# Altium PCB DIOT_Kasli_Adapter.PcbDoc (part 5 of 10)
Units mm, origin at the board's own origin, x right, y up, seen from the top; angles counter-clockwise.
Board outline 220.04 x 100 mm, 12 copper layers (Top Layer, L2GND, L3, L4, L5GND, L6, L7, L8GND, L9, L10, L11GND, Bottom Layer), stack 1.691 mm thick; 201 components, 445 nets, 1582 pads, 691 vias.
Unrouted connection lines stored in the file: 4.
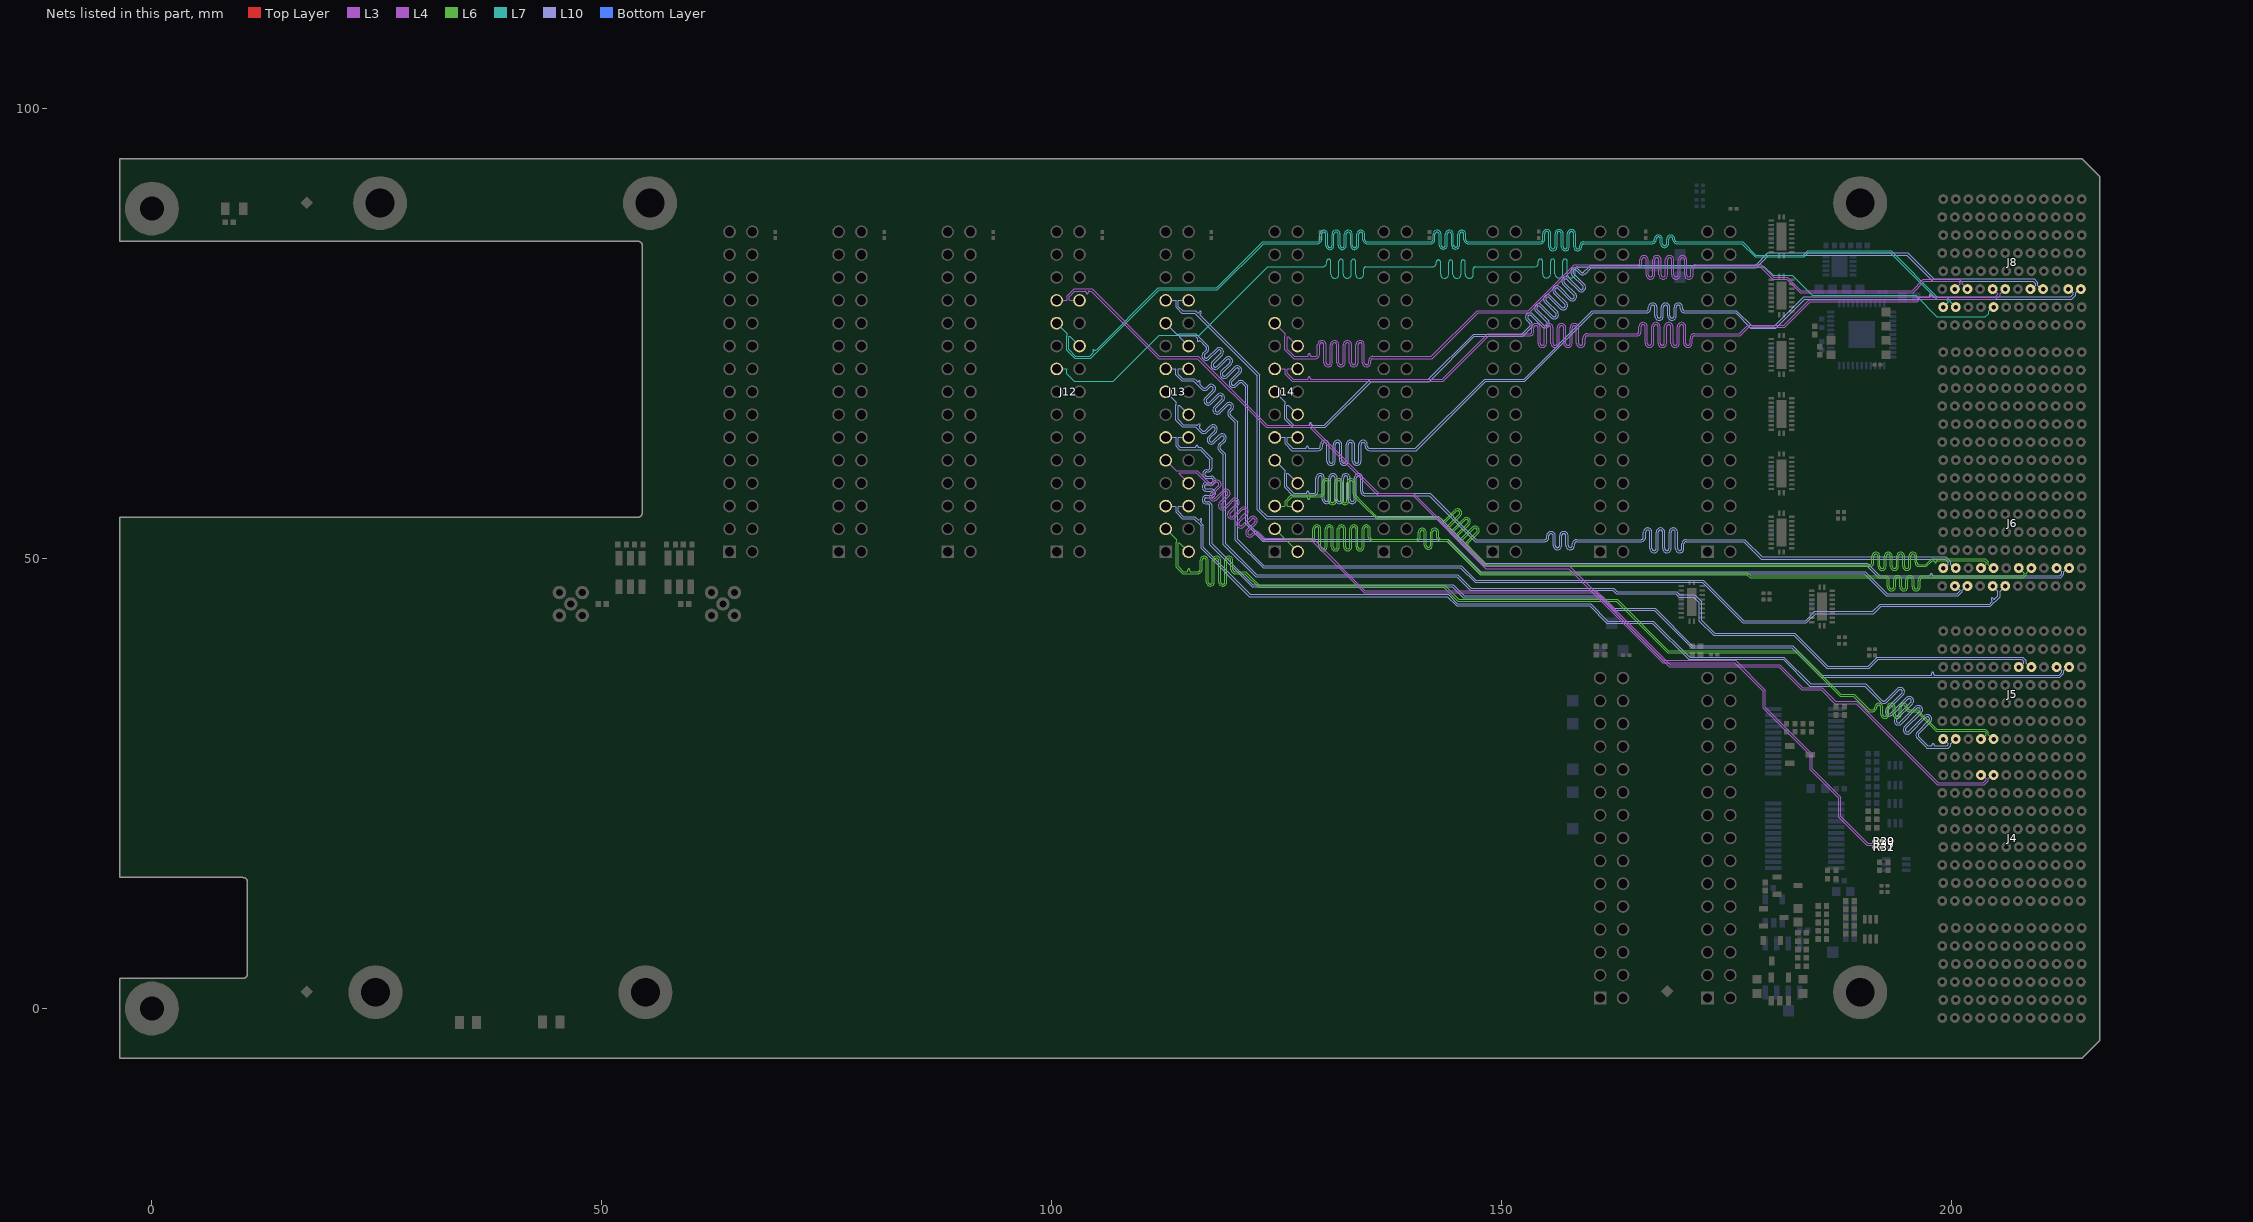
[diagram p15: the nets of this part, all layers, seen from the top]

## Via types
v1: diameter 0.5, hole 0.2, Top Layer to Bottom Layer, tented both sides, 649 vias
v2: diameter 0.5, hole 0.2, Top Layer to Bottom Layer, 32 vias
v3: diameter 0.65, hole 0.3, Top Layer to Bottom Layer, tented both sides, 6 vias
v4: diameter 0.8, hole 0.5, Top Layer to Bottom Layer, tented both sides, 4 vias

## Nets (pads, with @x,y where several pads share a name; then routed paths per layer and width w, separated by ;. In a path a pad name is that pad's centre, name@x,y a point inside that pad or via, vN(x,y) a via of type N, cw(c..) or ccw(c..) an arc to the next point about the centre after c; other vN are vias at no path point) (continued)
EXT3.LVDS_5_P: J8.H2 J12.17 | length 144.4
  L7 w0.089: J12.17@100.547,71.082 101.644,71.082 101.67,71.056 101.67,70.568 102.509,69.729 106.839,69.729 111.946,74.837 116.392,74.837 123.979,82.424 129.261,82.424 130.099,82.424 ccw(c130.099,82.875) 130.55,82.875 130.55,83.038 cw(c130.785,83.038) 131.02,83.038 131.02,81.605 ccw(c131.47,81.605) 131.921,81.605 131.921,83.038 cw(c132.156,83.038) 132.391,83.038 132.391,81.605 ccw(c132.842,81.605) 133.293,81.605 133.293,83.038 cw(c133.528,83.038) 133.763,83.038 133.763,81.605 ccw(c134.214,81.605) 134.664,81.605 134.664,82.189 cw(c134.899,82.189) 134.899,82.424 135.052,82.424 142.138,82.424 142.291,82.424 ccw(c142.291,82.875) 142.742,82.875 142.742,82.955 cw(c142.977,82.955) 143.212,82.955 143.212,81.605 ccw(c143.662,81.605) 144.113,81.605 144.113,82.955 cw(c144.348,82.955) 144.583,82.955 144.583,81.605 ccw(c145.034,81.605) 145.485,81.605 145.485,82.955 cw(c145.72,82.955) 145.955,82.955 145.955,81.605 ccw(c146.406,81.605) 146.856,81.605 146.856,82.189 cw(c147.091,82.189) 147.091,82.424 147.777,82.424 153.467,82.424 153.619,82.424 ccw(c153.619,82.875) 154.07,82.875 154.07,83.059 cw(c154.305,83.059) 154.54,83.059 154.54,81.652 ccw(c154.991,81.652) 155.442,81.652 155.442,83.059 cw(c155.677,83.059) 155.912,83.059 155.912,81.652 ccw(c156.362,81.652) 156.813,81.652 156.813,83.059 cw(c157.048,83.059) 157.283,83.059 157.283,81.652 ccw(c157.734,81.652) 158.185,81.652 158.185,82.189 cw(c158.42,82.189) 158.42,82.424 159.246,82.424 179.209,82.424 180.163,81.47 182.303,81.47 184.532,79.242 196.013,79.242 198.371,76.884 203.761,76.884 204.106,77.229 204.106,77.489 204.54,77.923 204.54,77.95 J8.H2@204.669,77.95
EXT3.LVDS_6_N: J8.L2 J12.21 | length 144.4
  L7 w0.089: J12.21@100.547,76.162 101.704,75.005 101.704,74.795 101.657,74.748 101.657,73.167 102.544,72.28 104.33,72.28 111.928,79.879 118.417,79.879 123.54,85.001 129.388,85.001 129.54,85.001 ccw(c129.54,85.452) 129.991,85.452 129.991,86.036 cw(c130.226,86.036) 130.461,86.036 130.461,84.799 ccw(c130.912,84.799) 131.362,84.799 131.362,86.036 cw(c131.597,86.036) 131.832,86.036 131.832,84.799 ccw(c132.283,84.799) 132.734,84.799 132.734,86.036 cw(c132.969,86.036) 133.204,86.036 133.204,84.799 ccw(c133.655,84.799) 134.106,84.799 134.106,86.036 cw(c134.341,86.036) 134.576,86.036 134.576,85.452 ccw(c135.026,85.452) 135.026,85.001 135.73,85.001 141.503,85.001 142.138,85.001 ccw(c142.138,85.452) 142.589,85.452 142.589,86.036 cw(c142.824,86.036) 143.059,86.036 143.059,84.849 ccw(c143.51,84.849) 143.961,84.849 143.961,86.036 cw(c144.196,86.036) 144.431,86.036 144.431,84.849 ccw(c144.882,84.849) 145.332,84.849 145.332,86.036 cw(c145.567,86.036) 145.802,86.036 145.802,85.452 ccw(c146.253,85.452) 146.253,85.001 147.091,85.001 153.441,85.001 154.33,85.001 ccw(c154.33,85.452) 154.781,85.452 154.781,86.12 cw(c155.016,86.12) 155.251,86.12 155.251,84.671 ccw(c155.702,84.671) 156.153,84.671 156.153,86.12 cw(c156.388,86.12) 156.623,86.12 156.623,84.671 ccw(c157.074,84.671) 157.524,84.671 157.524,86.12 cw(c157.759,86.12) 157.994,86.12 157.994,84.671 ccw(c158.445,84.671) 158.896,84.671 158.896,84.766 cw(c159.131,84.766) 159.131,85.001 159.283,85.001 165.837,85.001 166.73,85.001 ccw(c166.73,85.452) 167.181,85.452 167.181,85.51 cw(c167.416,85.51) 167.65,85.51 167.65,85.021 ccw(c168.101,85.021) 168.552,85.021 168.552,85.51 cw(c168.787,85.51) 169.022,85.51 169.022,85.452 ccw(c169.473,85.452) 169.473,85.001 170.311,85.001 176.693,85.001 178.169,83.525 183.629,83.525 184.098,83.994 193.187,83.994 198.334,78.847 199.361,78.847 199.626,78.581 199.626,78.507 199.116,77.998 199.116,77.95 J8.L2@199.069,77.95
EXT3.LVDS_6_P: J8.K2 J12.20 | length 144.4
  L7 w0.089: J12.20@103.087,73.622 101.999,74.71 101.925,74.71 101.873,74.658 101.873,73.257 102.634,72.496 104.24,72.496 104.416,72.672 104.6,72.856 ccw(c104.524,72.932) 104.6,73.009 104.587,73.022 cw(c104.663,73.098) 104.587,73.174 cw(c104.663,73.098) 104.74,73.174 104.753,73.161 ccw(c104.829,73.238) 104.905,73.161 105.09,73.345 111.839,80.095 118.328,80.095 123.45,85.217 129.388,85.217 129.54,85.217 ccw(c129.54,85.452) 129.775,85.452 129.775,86.036 cw(c130.226,86.036) 130.677,86.036 130.677,84.799 ccw(c130.912,84.799) 131.147,84.799 131.147,86.036 cw(c131.597,86.036) 132.048,86.036 132.048,84.799 ccw(c132.283,84.799) 132.518,84.799 132.518,86.036 cw(c132.969,86.036) 133.42,86.036 133.42,84.799 ccw(c133.655,84.799) 133.89,84.799 133.89,86.036 cw(c134.341,86.036) 134.791,86.036 134.791,85.452 ccw(c135.026,85.452) 135.026,85.217 135.73,85.217 141.503,85.217 142.138,85.217 ccw(c142.138,85.452) 142.373,85.452 142.373,86.036 cw(c142.824,86.036) 143.275,86.036 143.275,84.849 ccw(c143.51,84.849) 143.745,84.849 143.745,86.036 cw(c144.196,86.036) 144.647,86.036 144.647,84.849 ccw(c144.882,84.849) 145.117,84.849 145.117,86.036 cw(c145.567,86.036) 146.018,86.036 146.018,85.452 ccw(c146.253,85.452) 146.253,85.217 147.091,85.217 153.441,85.217 154.33,85.217 ccw(c154.33,85.452) 154.565,85.452 154.565,86.12 cw(c155.016,86.12) 155.467,86.12 155.467,84.671 ccw(c155.702,84.671) 155.937,84.671 155.937,86.12 cw(c156.388,86.12) 156.839,86.12 156.839,84.671 ccw(c157.074,84.671) 157.309,84.671 157.309,86.12 cw(c157.759,86.12) 158.21,86.12 158.21,84.671 ccw(c158.445,84.671) 158.68,84.671 158.68,84.766 cw(c159.131,84.766) 159.131,85.217 159.283,85.217 165.837,85.217 166.73,85.217 ccw(c166.73,85.452) 166.965,85.452 166.965,85.51 cw(c167.416,85.51) 167.866,85.51 167.866,85.021 ccw(c168.101,85.021) 168.336,85.021 168.336,85.51 cw(c168.787,85.51) 169.238,85.51 169.238,85.452 ccw(c169.473,85.452) 169.473,85.217 170.311,85.217 176.783,85.217 178.259,83.741 183.54,83.741 184.009,84.209 193.277,84.209 198.424,79.062 199.45,79.062 199.842,78.67 199.842,78.566 200.421,77.987 200.421,77.95 J8.K2@200.469,77.95
EXT3.LVDS_7_N: J12.24 R31.2 R32.1 | length 122.5
  Top Layer w0.089: v1(191.434,17.943) 191.466,17.943 191.684,18.161 191.953,18.161 192.005,18.109 192.005,18.066 192.171,17.901 R32.1@192.191,17.901
  L3 w0.089: J12.24@103.087,78.702 101.99,78.702 101.938,78.754 101.938,79.09 102.578,79.731 103.454,79.731 103.715,79.731 cw(c103.715,79.623) 103.823,79.623 103.823,79.546 ccw(c103.93,79.546) 104.038,79.546 104.038,79.623 cw(c104.146,79.623) 104.146,79.731 104.343,79.731 104.374,79.731 111.868,72.237 116.194,72.237 123.833,64.598 128.685,64.598 136.258,57.025 140.093,57.025 148.229,48.889 157.444,48.889 167.879,38.454 175.904,38.454 179.078,35.28 179.078,33.363 184.278,28.163 184.278,26.526 187.444,23.36 187.444,21.275 190.583,18.136 191.176,18.136 191.369,17.943 v1(191.434,17.943)
  Bottom Layer w0.089: v1(191.434,17.943) 191.466,17.943 191.684,18.161 191.953,18.161 192.005,18.109 192.005,18.066 192.171,17.901 R31.2@192.191,17.901
EXT3.LVDS_7_P: J12.23 R29.2 R30.1 | length 122.5
  Top Layer w0.089: v1(191.434,18.57) 191.466,18.57 191.684,18.352 191.953,18.352 192.005,18.404 192.005,18.447 192.171,18.612 R30.1@192.191,18.612
  L3 w0.089: J12.23@100.547,78.702 101.644,78.702 101.696,78.754 101.696,79.19 102.478,79.972 104.474,79.972 111.968,72.478 116.294,72.478 123.933,64.839 128.785,64.839 136.358,57.267 140.193,57.267 148.329,49.131 157.544,49.131 167.979,38.695 176.004,38.695 179.319,35.38 179.319,33.463 184.52,28.263 184.52,26.626 187.685,23.46 187.685,21.375 190.683,18.377 191.176,18.377 191.369,18.57 v1(191.434,18.57)
  Bottom Layer w0.089: v1(191.434,18.57) 191.466,18.57 191.684,18.352 191.953,18.352 192.005,18.404 192.005,18.447 192.171,18.612 R29.2@192.191,18.612
EXT4.LVDS_0_N: J5.I2 J13.3 | length 122.9
  L6 w0.089: J13.3@112.666,53.302 113.865,52.103 113.865,51.851 113.839,51.825 113.839,49.035 114.538,48.335 116.103,48.335 116.256,48.335 ccw(c116.256,48.786) 116.707,48.786 116.707,49.809 cw(c116.942,49.809) 117.177,49.809 117.177,47.394 ccw(c117.627,47.394) 118.078,47.394 118.078,49.809 cw(c118.313,49.809) 118.548,49.809 118.548,47.394 ccw(c118.999,47.394) 119.45,47.394 119.45,49.809 cw(c119.685,49.809) 119.92,49.809 119.92,48.786 ccw(c120.371,48.786) 120.371,48.335 120.929,48.335 121.461,48.335 122.979,46.817 143.587,46.817 145.137,45.268 162.738,45.268 168.443,39.562 182.769,39.562 187.611,34.72 189.083,34.72 190.809,32.995 191.07,32.995 191.223,32.995 ccw(c191.223,33.445) 191.673,33.445 191.673,33.466 cw(c191.908,33.466) 192.143,33.466 192.143,32.691 ccw(c192.594,32.691) 193.045,32.691 193.045,33.466 cw(c193.28,33.466) 193.515,33.466 193.515,32.691 ccw(c193.966,32.691) 194.417,32.691 194.417,33.466 cw(c194.652,33.466) 194.887,33.466 194.887,33.445 ccw(c195.337,33.445) 195.337,32.995 196.088,32.995 196.113,32.969 198.274,30.808 203.68,30.808 203.848,30.64 203.848,30.426 203.372,29.95 J5.I2@203.269,29.95
EXT4.LVDS_0_P: J5.H2 J13.2 | length 122.9
  L6 w0.089: J13.2@115.206,50.762 114.181,51.787 114.107,51.787 114.055,51.735 114.055,49.124 114.628,48.551 114.833,48.551 115.03,48.551 ccw(c115.03,48.659) 115.138,48.659 115.138,48.764 cw(c115.246,48.764) 115.354,48.764 115.354,48.659 ccw(c115.462,48.659) 115.462,48.551 115.722,48.551 116.103,48.551 116.256,48.551 ccw(c116.256,48.786) 116.491,48.786 116.491,49.809 cw(c116.942,49.809) 117.392,49.809 117.392,47.394 ccw(c117.627,47.394) 117.862,47.394 117.862,49.809 cw(c118.313,49.809) 118.764,49.809 118.764,47.394 ccw(c118.999,47.394) 119.234,47.394 119.234,49.809 cw(c119.685,49.809) 120.136,49.809 120.136,48.786 ccw(c120.371,48.786) 120.371,48.551 120.929,48.551 121.55,48.551 123.068,47.033 143.677,47.033 145.226,45.483 162.827,45.483 168.533,39.778 182.859,39.778 187.701,34.936 189.173,34.936 190.898,33.211 191.07,33.211 191.223,33.211 ccw(c191.223,33.445) 191.458,33.445 191.458,33.466 cw(c191.908,33.466) 192.359,33.466 192.359,32.691 ccw(c192.594,32.691) 192.829,32.691 192.829,33.466 cw(c193.28,33.466) 193.731,33.466 193.731,32.691 ccw(c193.966,32.691) 194.201,32.691 194.201,33.466 cw(c194.652,33.466) 195.102,33.466 195.102,33.445 ccw(c195.337,33.445) 195.337,33.211 196.113,33.211 196.177,33.211 198.364,31.024 203.769,31.024 204.064,30.729 204.064,30.426 204.54,29.95 J5.H2@204.669,29.95
EXT4.LVDS_1_N: J5.L2 J13.6 | length 122.8
  L10 w0.089: J13.6@115.206,55.842 114.134,55.842 114.057,55.765 114.057,55.237 114.616,54.677 115.9,54.677 115.959,54.618 116.257,54.32 ccw(c116.333,54.396) 116.41,54.32 116.481,54.392 cw(c116.558,54.315) 116.634,54.392 cw(c116.558,54.315) 116.634,54.239 116.562,54.167 ccw(c116.639,54.091) 116.562,54.015 116.746,53.831 116.844,53.733 116.844,51.239 122.06,46.023 144.05,46.023 145.089,44.984 159.88,44.984 161.8,43.065 166.849,43.065 170.884,39.03 181.377,39.03 184.332,36.074 190.468,36.074 192.202,34.341 192.319,34.224 ccw(c192.485,34.39) 192.651,34.224 193.963,35.536 cw(c194.3,35.199) 194.637,35.536 cw(c194.3,35.199) 194.672,34.902 194.672,34.898 192.924,33.151 ccw(c193.09,32.984) 192.924,32.819 ; 192.925,32.818 ccw(c193.09,32.984) 193.257,32.818 194.969,34.53 cw(c195.306,34.194) 195.642,34.53 cw(c195.306,34.194) 195.678,33.896 195.678,33.892 193.93,32.145 ccw(c194.096,31.979) 193.93,31.813 ; 193.93,31.812 ccw(c194.096,31.979) 194.262,31.812 195.975,33.525 cw(c196.311,33.188) 196.648,33.525 cw(c196.311,33.188) 196.683,32.891 196.683,32.886 194.936,31.139 ccw(c195.102,30.973) 194.936,30.807 ; 194.936,30.806 ccw(c195.102,30.973) 195.268,30.807 196.98,32.519 cw(c197.317,32.182) 197.654,32.519 cw(c197.317,32.182) 197.689,31.885 197.689,31.881 196.342,30.533 ccw(c196.508,30.367) 196.341,30.201 197.231,29.312 197.352,29.191 197.688,29.191 197.733,29.191 ccw(c197.733,29.299) 197.841,29.299 197.841,29.343 cw(c197.949,29.343) 198.057,29.343 198.057,29.299 ccw(c198.164,29.299) 198.164,29.191 198.476,29.191 199.53,29.191 199.658,29.319 199.658,29.435 199.143,29.95 J5.L2@199.069,29.95
EXT4.LVDS_1_P: J5.K2 J13.5 | length 122.8
  L10 w0.089: J13.5@112.666,55.842 113.738,55.842 113.815,55.765 113.815,55.137 114.517,54.435 115.8,54.435 116.603,53.633 116.603,51.139 121.96,45.782 143.95,45.782 144.989,44.743 159.781,44.743 161.7,42.824 166.749,42.824 170.784,38.789 181.277,38.789 184.232,35.833 190.368,35.833 192.031,34.17 192.147,34.054 ccw(c192.485,34.39) 192.821,34.053 194.134,35.366 cw(c194.3,35.199) 194.466,35.366 cw(c194.3,35.199) 194.466,35.033 ; 194.465,35.033 192.754,33.321 ccw(c193.09,32.984) 192.754,32.648 ccw(c193.09,32.984) 193.388,32.612 193.392,32.612 195.139,34.36 cw(c195.306,34.194) 195.472,34.36 cw(c195.306,34.194) 195.472,34.028 ; 195.471,34.027 193.759,32.315 ccw(c194.096,31.979) 194.393,31.607 194.398,31.607 196.145,33.354 cw(c196.311,33.188) 196.477,33.354 cw(c196.311,33.188) 196.477,33.022 ; 196.477,33.021 194.765,31.31 ccw(c195.102,30.973) 195.399,30.601 195.403,30.601 197.151,32.348 cw(c197.317,32.182) 197.483,32.348 ; 197.483,32.015 196.171,30.704 ccw(c196.508,30.367) 196.172,30.03 197.06,29.141 197.252,28.95 199.63,28.95 199.899,29.219 199.899,29.435 200.376,29.913 200.376,29.95 J5.K2@200.469,29.95 ; 197.483,32.016 ccw(c197.317,32.182) 197.483,32.348
EXT4.LVDS_2_N: J4.I8 J13.9 | length 123
  L4 w0.089: J13.9@112.666,60.922 113.842,59.746 114.093,59.746 114.127,59.78 116.15,59.78 117.391,58.539 117.508,58.422 ccw(c117.674,58.588) 117.84,58.422 118.044,58.626 118.048,58.626 cw(c118.345,58.254) 118.682,58.591 cw(c118.345,58.254) 118.682,57.918 117.822,57.057 ccw(c117.987,56.89) 117.821,56.725 ; 117.822,56.724 ccw(c117.987,56.89) 118.153,56.724 119.05,57.621 119.054,57.621 cw(c119.351,57.249) 119.688,57.585 cw(c119.351,57.249) 119.688,56.912 118.827,56.051 ccw(c118.993,55.885) 118.827,55.719 ; 118.827,55.718 ccw(c118.993,55.885) 119.159,55.719 120.056,56.615 120.06,56.615 cw(c120.357,56.243) 120.694,56.579 cw(c120.357,56.243) 120.694,55.906 119.833,55.046 ccw(c119.999,54.879) 119.832,54.713 ; 119.833,54.712 ccw(c119.999,54.879) 120.165,54.713 121.061,55.609 121.066,55.609 cw(c121.363,55.237) 121.7,55.574 cw(c121.363,55.237) 121.7,54.9 120.839,54.04 ccw(c121.005,53.873) 120.838,53.707 ; 120.839,53.707 ccw(c121.005,53.873) 121.171,53.707 122.067,54.603 122.071,54.603 cw(c122.369,54.231) 122.705,54.568 cw(c122.369,54.231) 122.705,53.894 121.845,53.034 ccw(c122.01,52.867) 121.844,52.702 ; 121.845,52.701 ccw(c122.01,52.867) 122.177,52.701 122.366,52.891 cw(c122.703,52.554) 123.039,52.891 123.5,52.43 123.695,52.235 129.019,52.235 134.811,46.444 160.497,46.444 168.742,38.199 180.904,38.199 183.46,35.642 185.606,35.642 187.123,34.125 189.491,34.125 198.515,25.101 203.512,25.101 203.848,25.437 203.848,25.511 203.409,25.95 J4.I8@203.269,25.95
EXT4.LVDS_2_P: J4.H8 J13.8 | length 122.9
  L4 w0.089: J13.8@115.206,58.382 114.175,59.413 114.175,59.486 114.227,59.539 116.05,59.539 117.22,58.368 117.336,58.252 ccw(c117.674,58.588) 118.011,58.252 118.179,58.42 ; 118.179,58.42 cw(c118.345,58.254) 118.512,58.42 cw(c118.345,58.254) 118.512,58.088 117.615,57.192 117.615,57.188 ccw(c117.987,56.89) 117.651,56.554 ccw(c117.987,56.89) 118.324,56.554 119.185,57.414 ; 119.185,57.415 cw(c119.351,57.249) 119.517,57.415 cw(c119.351,57.249) 119.517,57.082 118.621,56.186 118.621,56.182 ccw(c118.993,55.885) 119.33,55.548 120.19,56.408 ; 120.191,56.409 cw(c120.357,56.243) 120.523,56.409 cw(c120.357,56.243) 120.523,56.077 119.627,55.18 119.627,55.176 ccw(c119.999,54.879) 120.336,54.542 121.196,55.403 ; 121.197,55.403 cw(c121.363,55.237) 121.529,55.403 cw(c121.363,55.237) 121.529,55.071 120.633,54.175 120.633,54.17 ccw(c121.005,53.873) 121.341,53.536 122.202,54.397 ; 122.202,54.397 cw(c122.369,54.231) 122.535,54.397 cw(c122.369,54.231) 122.535,54.065 121.638,53.169 121.638,53.165 ccw(c122.01,52.867) 122.347,52.531 122.537,52.72 cw(c122.703,52.554) 122.869,52.72 123.329,52.26 123.595,51.994 128.919,51.994 134.711,46.203 160.397,46.203 168.642,37.958 180.804,37.958 183.36,35.401 185.506,35.401 187.023,33.884 189.391,33.884 198.415,24.86 203.612,24.86 204.089,25.337 204.089,25.511 204.529,25.95 J4.H8@204.669,25.95
EXT4.LVDS_3_N: J5.C6 J13.12 | length 122.9
  L10 w0.089: J13.12@115.206,63.462 114.109,63.462 114.057,63.41 114.057,62.571 114.275,62.352 115.519,62.352 115.919,62.352 ccw(c115.919,62.46) 116.027,62.46 116.027,62.468 cw(c116.135,62.468) 116.243,62.468 116.243,62.46 ccw(c116.351,62.46) 116.351,62.352 116.581,62.352 116.611,62.322 117.82,61.113 117.82,60.741 117.82,60.106 cw(c117.344,60.106) 117.344,59.63 117.234,59.63 ccw(c117.234,59.395) 117.234,59.16 117.732,59.16 cw(c117.732,58.684) 117.732,58.208 117.191,58.208 ccw(c117.191,57.973) 117.191,57.738 117.732,57.738 cw(c117.732,57.261) 117.732,56.785 117.191,56.785 ccw(c117.191,56.55) 117.191,56.315 117.344,56.315 cw(c117.344,55.839) 117.82,55.839 117.82,55.674 117.82,51.66 122.364,47.117 144.611,47.117 145.851,45.876 161.125,45.876 162.516,44.485 167.046,44.485 171.199,40.332 182.361,40.332 185.641,37.052 197.485,37.052 197.682,37.052 ccw(c197.682,37.16) 197.79,37.16 197.79,37.284 cw(c197.898,37.284) 198.006,37.284 198.006,37.16 ccw(c198.114,37.16) 198.114,37.052 198.374,37.052 211.946,37.052 212.248,37.354 212.248,37.539 211.837,37.95 J5.C6@211.669,37.95
EXT4.LVDS_3_P: J5.B6 J13.11 | length 123
  L10 w0.089: J13.11@112.666,63.462 113.763,63.462 113.815,63.41 113.815,62.471 114.175,62.111 116.481,62.111 117.579,61.013 117.579,60.741 117.579,60.106 cw(c117.344,60.106) 117.344,59.871 117.234,59.871 ccw(c117.234,59.395) 117.234,58.919 117.732,58.919 cw(c117.732,58.684) 117.732,58.449 117.191,58.449 ccw(c117.191,57.973) 117.191,57.496 117.732,57.496 cw(c117.732,57.261) 117.732,57.026 117.191,57.026 ccw(c117.191,56.55) 117.191,56.074 117.344,56.074 cw(c117.344,55.839) 117.579,55.839 117.579,55.674 117.579,51.56 122.264,46.875 144.511,46.875 145.751,45.635 161.025,45.635 162.416,44.244 166.946,44.244 171.099,40.091 182.261,40.091 185.541,36.81 212.046,36.81 212.489,37.254 212.489,37.559 212.881,37.95 J5.B6@213.069,37.95
EXT4.LVDS_4_N: J5.F6 J13.15 | length 122.9
  L10 w0.089: J13.15@112.666,68.542 113.836,67.372 113.836,67.12 113.802,67.087 113.802,65.365 114.508,64.659 115.95,64.659 116.453,64.155 116.57,64.039 ccw(c116.907,64.375) 117.244,64.038 117.767,64.561 cw(c117.933,64.395) 118.099,64.561 cw(c117.933,64.395) 118.099,64.229 117.369,63.499 117.369,63.495 ccw(c117.741,63.198) 117.405,62.861 ccw(c117.741,63.198) 118.078,62.861 118.772,63.555 cw(c118.939,63.39) 119.105,63.556 cw(c118.939,63.39) 119.105,63.223 118.582,62.7 ccw(c118.919,62.363) 118.582,62.026 ; 118.582,62.026 119.057,61.551 119.075,61.534 119.075,51.552 122.658,47.969 144.999,47.969 146.511,46.457 162.37,46.457 162.756,46.07 169.36,46.07 169.7,45.731 171.354,45.731 171.979,45.105 171.979,43.063 173.564,41.478 182.463,41.478 186.136,37.805 190.847,37.805 191.836,38.794 207.804,38.794 208.048,38.55 208.048,38.389 207.609,37.95 J5.F6@207.469,37.95
EXT4.LVDS_4_P: J5.E6 J13.14 | length 122.9
  L10 w0.089: J13.14@115.206,66.002 114.169,67.039 114.096,67.039 114.044,66.987 114.044,65.465 114.608,64.9 115.872,64.9 116.05,64.9 116.097,64.853 ccw(c116.173,64.929) 116.249,64.853 116.317,64.921 cw(c116.394,64.845) 116.47,64.921 cw(c116.394,64.845) 116.47,64.769 116.402,64.7 ccw(c116.478,64.624) 116.402,64.548 116.586,64.364 116.624,64.326 116.741,64.208 ccw(c116.907,64.375) 117.073,64.209 117.632,64.767 117.636,64.767 cw(c117.933,64.395) 118.27,64.732 cw(c117.933,64.395) 118.27,64.059 117.576,63.364 ; 117.575,63.032 cw(c117.741,63.198) 117.575,63.364 ; 117.576,63.031 ccw(c117.741,63.198) 117.907,63.032 118.638,63.762 118.642,63.762 cw(c118.939,63.39) 119.276,63.726 cw(c118.939,63.39) 119.276,63.053 118.752,62.529 ccw(c118.919,62.363) 118.752,62.198 119.228,61.722 119.316,61.634 119.316,51.652 122.758,48.21 145.099,48.21 146.611,46.698 162.47,46.698 162.856,46.312 169.46,46.312 169.8,45.972 171.454,45.972 172.221,45.205 172.221,43.163 173.664,41.72 182.563,41.72 186.236,38.047 190.747,38.047 191.736,39.036 207.904,39.036 208.289,38.65 208.289,38.55 208.289,38.463 208.289,38.389 208.729,37.95 J5.E6@208.869,37.95
EXT4.LVDS_5_N: J6.H1 J13.18 | length 122.9
  L10 w0.089: J13.18@115.206,71.082 114.083,71.082 114.031,71.03 114.031,70.509 114.535,70.006 115.846,70.006 116.002,69.85 116.147,69.704 ccw(c116.224,69.781) 116.3,69.704 116.315,69.719 cw(c116.391,69.643) 116.467,69.719 cw(c116.391,69.643) 116.467,69.566 116.453,69.552 ccw(c116.529,69.475) 116.453,69.399 116.637,69.215 116.726,69.126 116.843,69.009 ccw(c117.009,69.175) 117.175,69.009 117.428,69.262 117.432,69.262 cw(c117.729,68.89) 118.066,69.227 cw(c117.729,68.89) 118.066,68.553 117.218,67.705 ; 117.217,67.373 cw(c117.383,67.539) 117.217,67.705 ; 117.218,67.372 ccw(c117.383,67.539) 117.549,67.373 118.434,68.257 118.438,68.257 cw(c118.735,67.884) 119.072,68.221 cw(c118.735,67.884) 119.072,67.548 118.224,66.7 ; 118.223,66.367 cw(c118.389,66.533) 118.223,66.699 ; 118.223,66.366 ccw(c118.389,66.533) 118.555,66.367 119.439,67.251 119.443,67.251 cw(c119.741,66.879) 120.077,67.215 cw(c119.741,66.879) 120.077,66.542 119.86,66.324 ccw(c120.026,66.158) 119.859,65.992 120.294,65.557 120.661,65.191 120.661,52.135 123.584,49.213 145.518,49.213 147.14,47.59 172.393,47.59 176.894,43.089 183.773,43.089 184.813,44.129 191.248,44.129 192.061,44.941 204.227,44.941 204.471,45.185 204.503,45.217 ccw(c204.426,45.293) 204.503,45.369 204.427,45.445 cw(c204.504,45.521) 204.427,45.598 cw(c204.504,45.521) 204.58,45.598 204.655,45.522 ccw(c204.732,45.598) 204.808,45.522 204.967,45.681 205.148,45.862 205.148,46.371 J6.H1@204.569,46.95